# KiCad board sbc.kicad_pcb (continued)
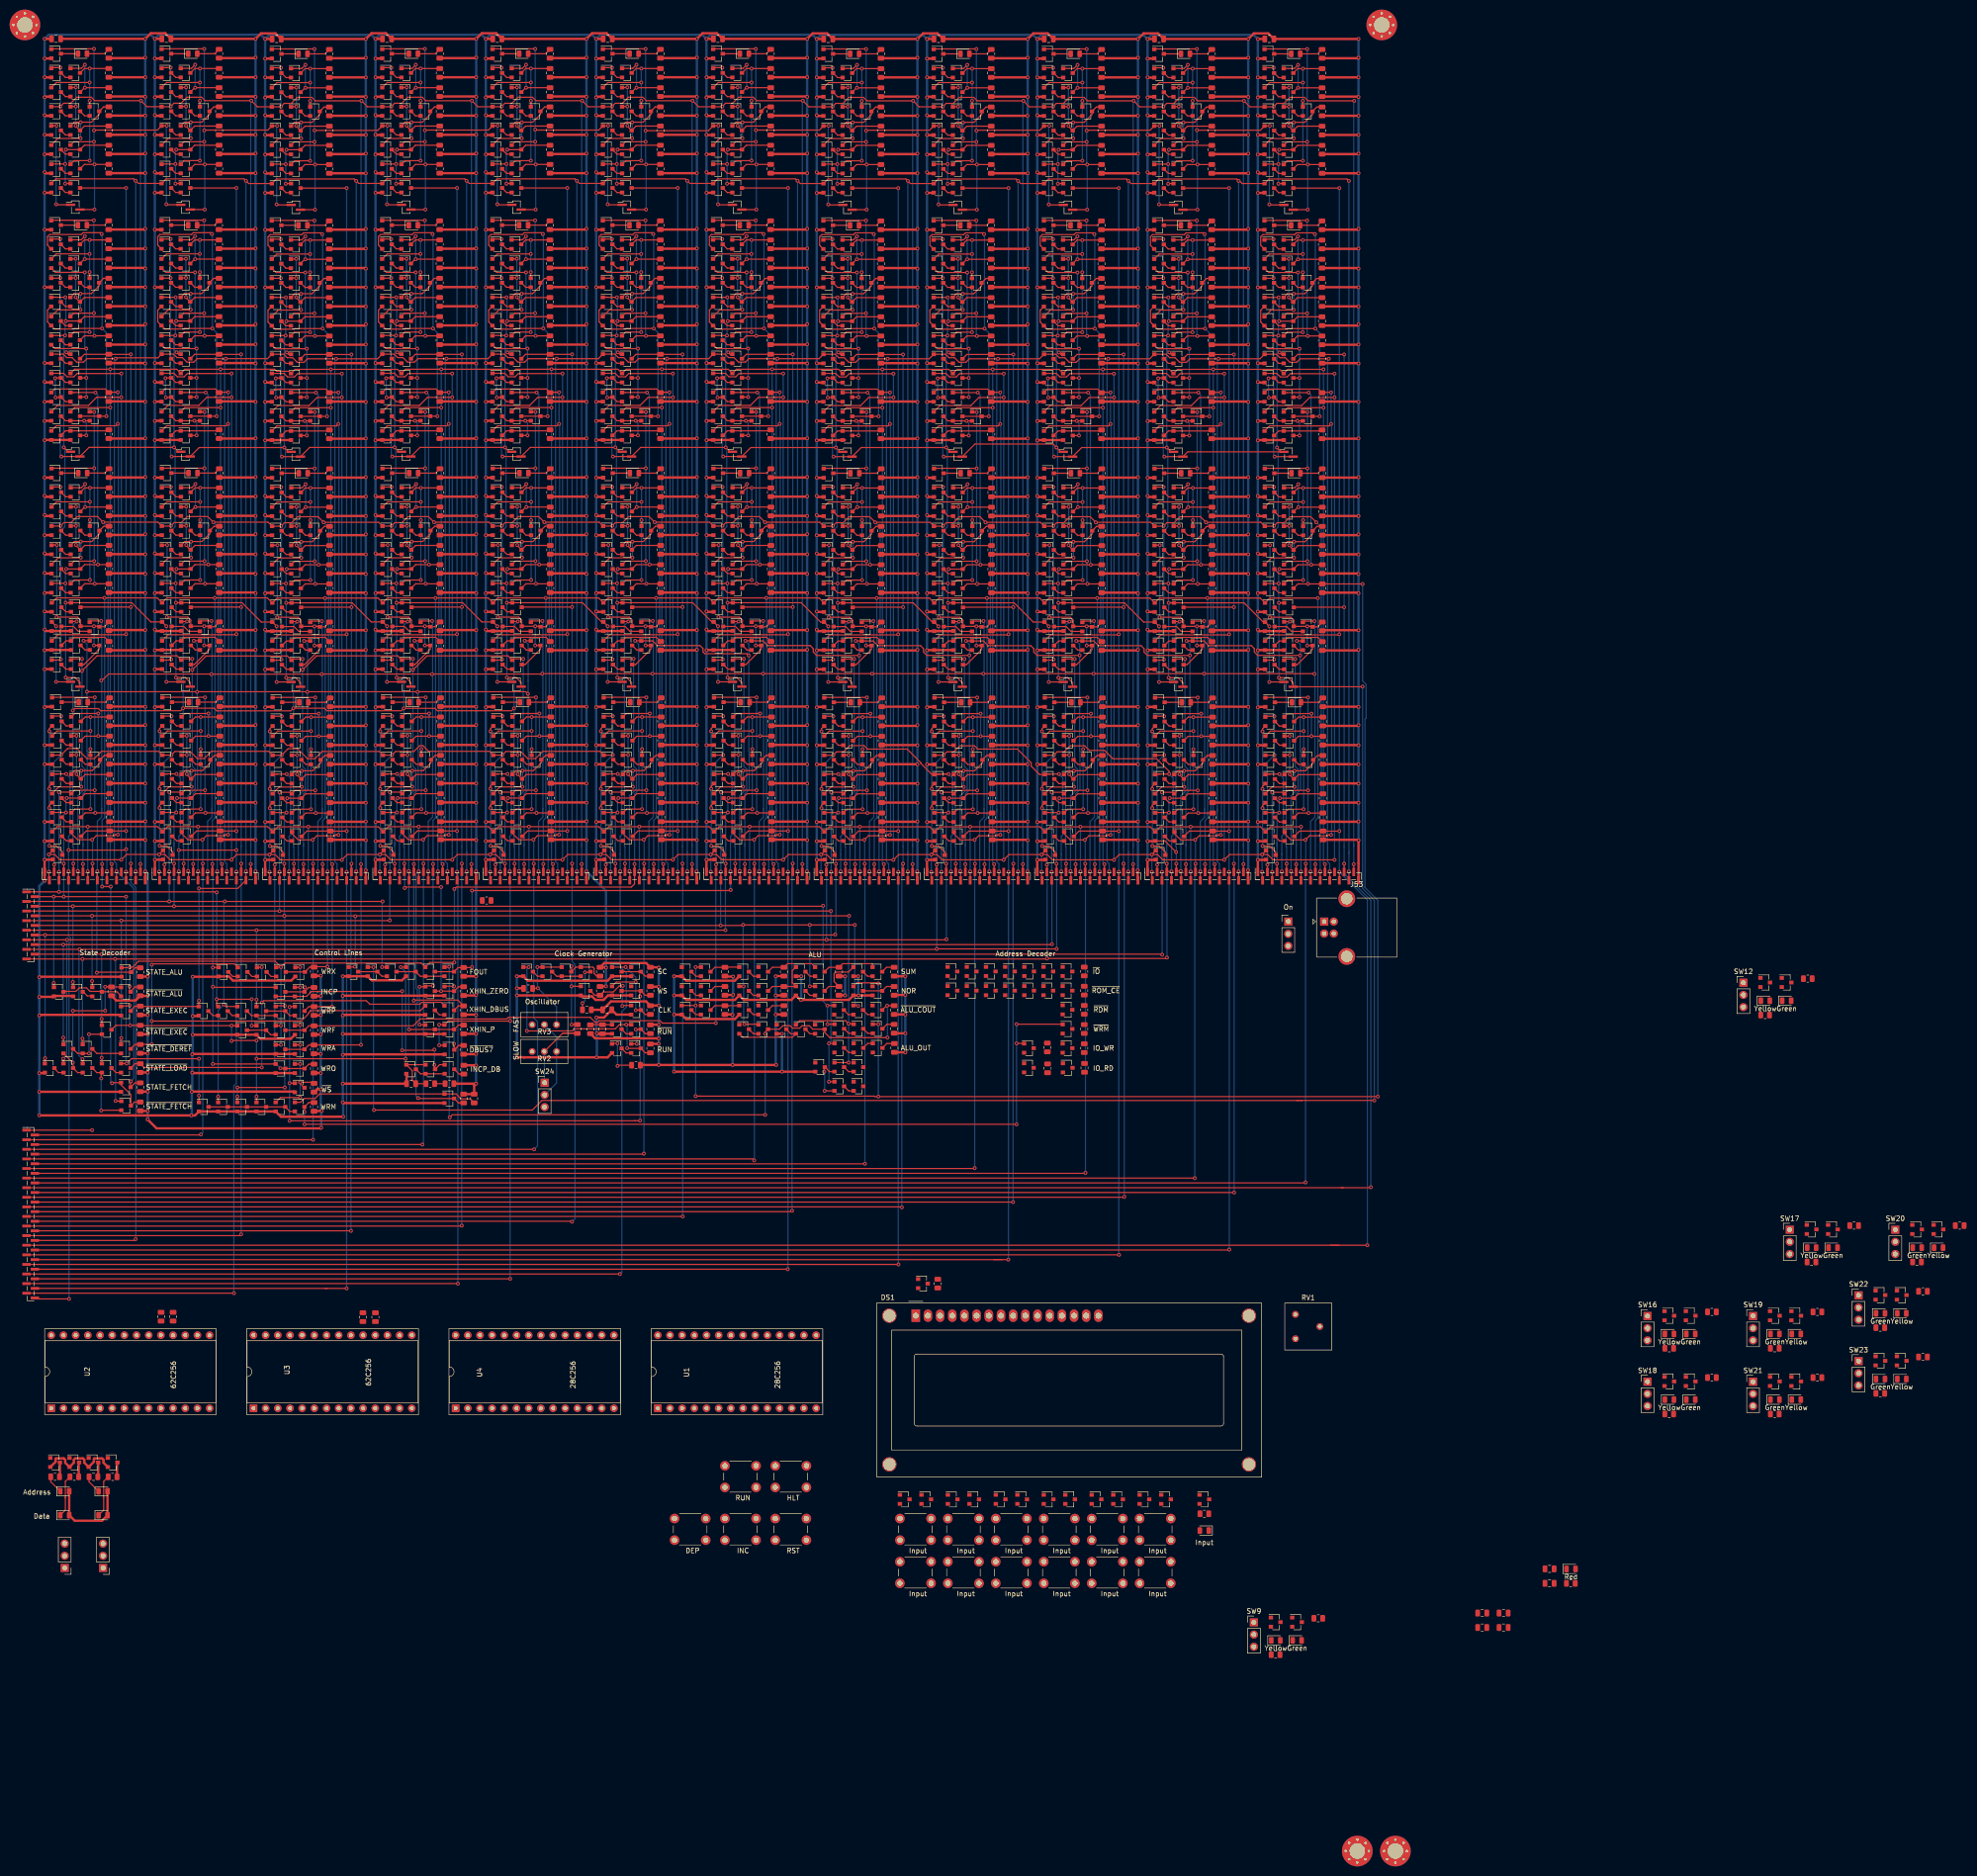
[diagram p0: board, top side]
## Placement (name value [footprint] x y rotation side) (continued)
Q935  2N7002  [SOT-23]  217.71 231.58 0 top
Q936  2N7002  [SOT-23]  213.71 215.58 0 top
Q937  2N7002  [SOT-23]  213.71 231.58 0 top
Q938  2N7002  [SOT-23]  213.71 239.58 0 top
Q939  2N7002  [SOT-23]  217.71 219.58 0 top
Q940  2N7002  [SOT-23]  217.71 235.58 0 top
Q941  2N7002  [SOT-23]  213.71 219.58 0 top
Q942  2N7002  [SOT-23]  213.71 235.58 0 top
Q943  2N7002  [SOT-23]  221.71 227.58 0 top
Q944  2N7002  [SOT-23]  217.71 227.58 0 top
Q945  2N7002  [SOT-23]  213.71 227.58 0 top
Q946  2N7002  [SOT-23]  217.71 223.58 0 top
Q947  2N7002  [SOT-23]  213.71 223.58 0 top
Q948  2N7002  [SOT-23]  240.75 211.62 0 top
Q949  2N7002  [SOT-23]  236.75 211.62 0 top
Q950  2N7002  [SOT-23]  240.55 346.82 0 top
Q951  2N7002  [SOT-23]  236.55 346.82 0 top
Q952  2N7002  [SOT-23]  240.55 350.82 0 top
Q953  2N7002  [SOT-23]  240.55 366.82 0 top
Q954  2N7002  [SOT-23]  236.55 350.82 0 top
Q955  2N7002  [SOT-23]  236.55 366.82 0 top
Q956  2N7002  [SOT-23]  236.55 374.82 0 top
Q957  2N7002  [SOT-23]  240.55 354.82 0 top
Q958  2N7002  [SOT-23]  240.55 370.82 0 top
Q959  2N7002  [SOT-23]  236.55 354.82 0 top
Q960  2N7002  [SOT-23]  236.55 370.82 0 top
Q961  2N7002  [SOT-23]  244.55 362.82 0 top
Q962  2N7002  [SOT-23]  240.55 362.82 0 top
Q963  2N7002  [SOT-23]  236.55 362.82 0 top
Q964  2N7002  [SOT-23]  240.55 358.82 0 top
Q965  2N7002  [SOT-23]  236.55 358.82 0 top
Q966  2N7002  [SOT-23]  244.55 251.42 0 top
Q967  2N7002  [SOT-23]  240.65 259.37 0 top
Q968  2N7002  [SOT-23]  240.65 247.42 0 top
Q969  2N7002  [SOT-23]  244.55 255.32 0 top
Q970  2N7002  [SOT-23]  240.65 255.42 0 top
Q971  2N7002  [SOT-23]  240.65 251.42 0 top
Q972  2N7002  [SOT-23]  236.65 259.37 0 top
Q973  2N7002  [SOT-23]  236.65 247.42 0 top
Q974  2N7002  [SOT-23]  236.65 255.37 0 top
Q975  2N7002  [SOT-23]  236.65 251.42 0 top
Q976  2N7002  [SOT-23]  240.6 263.36 0 top
Q977  2N7002  [SOT-23]  240.6 279.36 0 top
Q978  2N7002  [SOT-23]  236.6 263.36 0 top
Q979  2N7002  [SOT-23]  236.6 279.36 0 top
Q980  2N7002  [SOT-23]  236.6 287.36 0 top
Q981  2N7002  [SOT-23]  240.6 267.36 0 top
Q982  2N7002  [SOT-23]  240.6 283.36 0 top
Q983  2N7002  [SOT-23]  236.6 267.36 0 top
Q984  2N7002  [SOT-23]  236.6 283.36 0 top
Q985  2N7002  [SOT-23]  244.6 275.36 0 top
Q986  2N7002  [SOT-23]  240.6 275.36 0 top
Q987  2N7002  [SOT-23]  236.6 275.36 0 top
Q988  2N7002  [SOT-23]  240.6 271.36 0 top
Q989  2N7002  [SOT-23]  236.6 271.36 0 top
Q990  2N7002  [SOT-23]  240.55 311.22 0 top
Q991  2N7002  [SOT-23]  236.55 311.22 0 top
Q992  2N7002  [SOT-23]  240.55 307.22 0 top
Q993  2N7002  [SOT-23]  240.55 303.22 0 top
Q994  2N7002  [SOT-23]  240.55 299.22 0 top
Q995  2N7002  [SOT-23]  244.55 299.22 0 top
Q996  2N7002  [SOT-23]  236.55 307.22 0 top
Q997  2N7002  [SOT-23]  236.55 303.22 0 top
Q998  2N7002  [SOT-23]  236.55 299.22 0 top
Q999  2N7002  [SOT-23]  240.55 295.22 0 top
Q1000  2N7002  [SOT-23]  236.55 295.22 0 top
Q1001  2N7002  [SOT-23]  240.53 315.07 0 top
Q1002  2N7002  [SOT-23]  240.53 331.07 0 top
Q1003  2N7002  [SOT-23]  236.53 315.07 0 top
Q1004  2N7002  [SOT-23]  236.53 331.07 0 top
Q1005  2N7002  [SOT-23]  236.53 339.07 0 top
Q1006  2N7002  [SOT-23]  240.53 319.07 0 top
Q1007  2N7002  [SOT-23]  240.53 335.07 0 top
Q1008  2N7002  [SOT-23]  236.53 319.07 0 top
Q1009  2N7002  [SOT-23]  236.53 335.07 0 top
Q1010  2N7002  [SOT-23]  244.53 327.07 0 top
Q1011  2N7002  [SOT-23]  240.53 327.07 0 top
Q1012  2N7002  [SOT-23]  236.53 327.07 0 top
Q1013  2N7002  [SOT-23]  240.53 323.07 0 top
Q1014  2N7002  [SOT-23]  236.53 323.07 0 top
Q1015  2N7002  [SOT-23]  201.45 179.45 0 top
Q1016  2N7002  [SOT-23]  197.45 179.45 0 top
Q1017  2N7002  [SOT-23]  240.71 215.58 0 top
Q1018  2N7002  [SOT-23]  240.71 231.58 0 top
Q1019  2N7002  [SOT-23]  236.71 215.58 0 top
Q1020  2N7002  [SOT-23]  236.71 231.58 0 top
Q1021  2N7002  [SOT-23]  236.71 239.58 0 top
Q1022  2N7002  [SOT-23]  240.71 219.58 0 top
Q1023  2N7002  [SOT-23]  240.71 235.58 0 top
Q1024  2N7002  [SOT-23]  236.71 219.58 0 top
Q1025  2N7002  [SOT-23]  236.71 235.58 0 top
Q1026  2N7002  [SOT-23]  244.71 227.58 0 top
Q1027  2N7002  [SOT-23]  240.71 227.58 0 top
Q1028  2N7002  [SOT-23]  236.71 227.58 0 top
Q1029  2N7002  [SOT-23]  240.71 223.58 0 top
Q1030  2N7002  [SOT-23]  236.71 223.58 0 top
Q1031  2N7002  [SOT-23]  263.75 211.62 0 top
Q1032  2N7002  [SOT-23]  259.75 211.62 0 top
Q1033  2N7002  [SOT-23]  263.55 346.82 0 top
Q1034  2N7002  [SOT-23]  259.55 346.82 0 top
Q1035  2N7002  [SOT-23]  263.55 350.82 0 top
Q1036  2N7002  [SOT-23]  263.55 366.82 0 top
Q1037  2N7002  [SOT-23]  259.55 350.82 0 top
Q1038  2N7002  [SOT-23]  259.55 366.82 0 top
Q1039  2N7002  [SOT-23]  259.55 374.82 0 top
Q1040  2N7002  [SOT-23]  263.55 354.82 0 top
Q1041  2N7002  [SOT-23]  263.55 370.82 0 top
Q1042  2N7002  [SOT-23]  259.55 354.82 0 top
Q1043  2N7002  [SOT-23]  259.55 370.82 0 top
Q1044  2N7002  [SOT-23]  267.55 362.82 0 top
Q1045  2N7002  [SOT-23]  263.55 362.82 0 top
Q1046  2N7002  [SOT-23]  259.55 362.82 0 top
Q1047  2N7002  [SOT-23]  263.55 358.82 0 top
Q1048  2N7002  [SOT-23]  259.55 358.82 0 top
Q1049  2N7002  [SOT-23]  267.55 251.42 0 top
Q1050  2N7002  [SOT-23]  263.65 259.37 0 top
Q1051  2N7002  [SOT-23]  263.65 247.42 0 top
Q1052  2N7002  [SOT-23]  267.55 255.32 0 top
Q1053  2N7002  [SOT-23]  263.65 255.42 0 top
Q1054  2N7002  [SOT-23]  263.65 251.42 0 top
Q1055  2N7002  [SOT-23]  259.65 259.37 0 top
Q1056  2N7002  [SOT-23]  259.65 247.42 0 top
Q1057  2N7002  [SOT-23]  259.65 255.37 0 top
Q1058  2N7002  [SOT-23]  259.65 251.42 0 top
Q1059  2N7002  [SOT-23]  263.6 263.36 0 top
Q1060  2N7002  [SOT-23]  263.6 279.36 0 top
Q1061  2N7002  [SOT-23]  259.6 263.36 0 top
Q1062  2N7002  [SOT-23]  259.6 279.36 0 top
Q1063  2N7002  [SOT-23]  259.6 287.36 0 top
Q1064  2N7002  [SOT-23]  263.6 267.36 0 top
Q1065  2N7002  [SOT-23]  263.6 283.36 0 top
Q1066  2N7002  [SOT-23]  259.6 267.36 0 top
Q1067  2N7002  [SOT-23]  259.6 283.36 0 top
Q1068  2N7002  [SOT-23]  267.6 275.36 0 top
Q1069  2N7002  [SOT-23]  263.6 275.36 0 top
Q1070  2N7002  [SOT-23]  259.6 275.36 0 top
Q1071  2N7002  [SOT-23]  263.6 271.36 0 top
Q1072  2N7002  [SOT-23]  259.6 271.36 0 top
Q1073  2N7002  [SOT-23]  263.55 311.22 0 top
Q1074  2N7002  [SOT-23]  259.55 311.22 0 top
Q1075  2N7002  [SOT-23]  263.55 307.22 0 top
Q1076  2N7002  [SOT-23]  263.55 303.22 0 top
Q1077  2N7002  [SOT-23]  263.55 299.22 0 top
Q1078  2N7002  [SOT-23]  267.55 299.22 0 top
Q1079  2N7002  [SOT-23]  259.55 307.22 0 top
Q1080  2N7002  [SOT-23]  259.55 303.22 0 top
Q1081  2N7002  [SOT-23]  259.55 299.22 0 top
Q1082  2N7002  [SOT-23]  263.55 295.22 0 top
Q1083  2N7002  [SOT-23]  259.55 295.22 0 top
Q1084  2N7002  [SOT-23]  263.53 315.07 0 top
Q1085  2N7002  [SOT-23]  263.53 331.07 0 top
Q1086  2N7002  [SOT-23]  259.53 315.07 0 top
Q1087  2N7002  [SOT-23]  259.53 331.07 0 top
Q1088  2N7002  [SOT-23]  259.53 339.07 0 top
Q1089  2N7002  [SOT-23]  263.53 319.07 0 top
Q1090  2N7002  [SOT-23]  263.53 335.07 0 top
Q1091  2N7002  [SOT-23]  259.53 319.07 0 top
Q1092  2N7002  [SOT-23]  259.53 335.07 0 top
Q1093  2N7002  [SOT-23]  267.53 327.07 0 top
Q1094  2N7002  [SOT-23]  263.53 327.07 0 top
Q1095  2N7002  [SOT-23]  259.53 327.07 0 top
Q1096  2N7002  [SOT-23]  263.53 323.07 0 top
Q1097  2N7002  [SOT-23]  259.53 323.07 0 top
Q1098  2N7002  [SOT-23]  217.45 179.45 0 top
Q1099  2N7002  [SOT-23]  193.45 179.45 0 top
Q1100  2N7002  [SOT-23]  263.71 215.58 0 top
Q1101  2N7002  [SOT-23]  263.71 231.58 0 top
Q1102  2N7002  [SOT-23]  259.71 215.58 0 top
Q1103  2N7002  [SOT-23]  259.71 231.58 0 top
Q1104  2N7002  [SOT-23]  259.71 239.58 0 top
Q1105  2N7002  [SOT-23]  263.71 219.58 0 top
Q1106  2N7002  [SOT-23]  263.71 235.58 0 top
Q1107  2N7002  [SOT-23]  259.71 219.58 0 top
Q1108  2N7002  [SOT-23]  259.71 235.58 0 top
Q1109  2N7002  [SOT-23]  267.71 227.58 0 top
Q1110  2N7002  [SOT-23]  263.71 227.58 0 top
Q1111  2N7002  [SOT-23]  259.71 227.58 0 top
Q1112  2N7002  [SOT-23]  263.71 223.58 0 top
Q1113  2N7002  [SOT-23]  259.71 223.58 0 top
Q1114  2N7002  [SOT-23]  213.45 179.45 0 top
Q1115  2N7002  [SOT-23]  217.45 171.45 0 top
Q1116  2N7002  [SOT-23]  217.45 175.45 0 top
Q1117  2N7002  [SOT-23]  183.5 73.35 0 top
Q1118  2N7002  [SOT-23]  209.4 167.45 0 top
Q1119  2N7002  [SOT-23]  6.3 81.05 0 top
Q1120  2N7002  [SOT-23]  10.3 81.05 0 top
Q1121  2N7002  [SOT-23]  14.29 81.05 0 top
Q1122  2N7002  [SOT-23]  18.29 81.05 0 top
Q1123  2N7002  [SOT-23]  88.5 156.95 0 top
Q1124  2N7002  [SOT-23]  260.88 47.75 0 top
Q1125  2N7002  [SOT-23]  265.33 47.75 0 top
Q1126  2N7002  [SOT-23]  217.45 167.45 0 top
Q1127  2N7002  [SOT-23]  187.3 118.35 0 top
Q1128  2N7002  [SOT-23]  362.98 181.15 0 top
Q1129  2N7002  [SOT-23]  367.43 181.15 0 top
Q1130  2N7002  [SOT-23]  347.43 111.65 0 top
Q1131  2N7002  [SOT-23]  342.98 111.65 0 top
Q1132  2N7002  [SOT-23]  377.1 129.65 0 top
Q1133  2N7002  [SOT-23]  372.65 129.65 0 top
Q1134  2N7002  [SOT-23]  342.98 97.95 0 top
Q1135  2N7002  [SOT-23]  347.43 97.95 0 top
Q1136  2N7002  [SOT-23]  364.99 111.65 0 top
Q1137  2N7002  [SOT-23]  369.44 111.65 0 top
Q1138  2N7002  [SOT-23]  399.11 129.65 0 top
Q1139  2N7002  [SOT-23]  394.66 129.65 0 top
Q1140  2N7002  [SOT-23]  364.99 97.95 0 top
Q1141  2N7002  [SOT-23]  369.44 97.95 0 top
Q1142  2N7002  [SOT-23]  391.45 115.95 0 top
Q1143  2N7002  [SOT-23]  387 115.95 0 top
Q1144  2N7002  [SOT-23]  387 102.25 0 top
Q1145  2N7002  [SOT-23]  391.45 102.25 0 top
Q1146  2N7002  [SOT-23]  193.5 73.35 0 top
Q1147  2N7002  [SOT-23]  203.5 73.35 0 top
Q1148  2N7002  [SOT-23]  213.5 73.35 0 top
Q1149  2N7002  [SOT-23]  223.5 73.35 0 top
Q1150  2N7002  [SOT-23]  233.5 73.35 0 top
Q1151  2N7002  [SOT-23]  188 73.35 0 top
Q1152  2N7002  [SOT-23]  198 73.35 0 top
Q1153  2N7002  [SOT-23]  208 73.35 0 top
Q1154  2N7002  [SOT-23]  218 73.35 0 top
Q1155  2N7002  [SOT-23]  228 73.35 0 top
Q1156  2N7002  [SOT-23]  238 73.35 0 top
Q1157  2N7002  [SOT-23]  246 73.35 0 top
R1  10k  [R_0805_2012Metric]  28.4 111.45 90 top
R2  10k  [R_0805_2012Metric]  17.5 311.25 90 top
R3  10k  [R_0805_2012Metric]  17.7 211.85 90 top
R4  1k  [R_0805_2012Metric]  17.5 374.85 90 top
R5  10k  [R_0805_2012Metric]  17.5 350.85 90 top
R6  10k  [R_0805_2012Metric]  17.5 366.85 90 top
R7  10k  [R_0805_2012Metric]  17.5 354.85 90 top
R8  10k  [R_0805_2012Metric]  17.5 370.85 90 top
R9  10k  [R_0805_2012Metric]  17.5 362.85 90 top
R10  10k  [R_0805_2012Metric]  17.5 358.85 90 top
R11  1k  [R_0805_2012Metric]  17.55 287.39 90 top
R12  10k  [R_0805_2012Metric]  17.55 255.45 90 top
R13  10k  [R_0805_2012Metric]  17.55 251.35 90 top
R14  10k  [R_0805_2012Metric]  17.55 263.39 90 top
R15  10k  [R_0805_2012Metric]  17.55 279.39 90 top
R16  10k  [R_0805_2012Metric]  17.55 267.39 90 top
R17  10k  [R_0805_2012Metric]  17.55 283.39 90 top
R18  10k  [R_0805_2012Metric]  17.55 275.39 90 top
R19  10k  [R_0805_2012Metric]  17.55 271.39 90 top
R20  1k  [R_0805_2012Metric]  17.48 339.1 90 top
R21  10k  [R_0805_2012Metric]  17.5 303.25 90 top
R22  10k  [R_0805_2012Metric]  17.5 295.5 90 top
R23  10k  [R_0805_2012Metric]  17.48 315.1 90 top
R24  10k  [R_0805_2012Metric]  17.48 331.1 90 top
R25  10k  [R_0805_2012Metric]  17.48 319.1 90 top
R26  10k  [R_0805_2012Metric]  17.48 335.1 90 top
R27  10k  [R_0805_2012Metric]  17.48 327.1 90 top
R28  10k  [R_0805_2012Metric]  17.48 323.1 90 top
R29  1k  [R_0805_2012Metric]  17.66 239.61 90 top
R30  10k  [R_0805_2012Metric]  17.66 215.61 90 top
R31  10k  [R_0805_2012Metric]  17.66 231.61 90 top
R32  10k  [R_0805_2012Metric]  17.66 219.61 90 top
R33  10k  [R_0805_2012Metric]  17.66 235.61 90 top
R34  10k  [R_0805_2012Metric]  17.66 227.61 90 top
R35  10k  [R_0805_2012Metric]  17.66 223.61 90 top
R36  10k  [R_0805_2012Metric]  40.5 311.25 90 top
R37  10k  [R_0805_2012Metric]  40.7 211.85 90 top
R38  10k  [R_0805_2012Metric]  40.5 350.85 90 top
R39  10k  [R_0805_2012Metric]  40.5 366.85 90 top
R40  1k  [R_0805_2012Metric]  40.5 374.85 90 top
R41  10k  [R_0805_2012Metric]  40.5 354.85 90 top
R42  10k  [R_0805_2012Metric]  40.5 370.85 90 top
R43  10k  [R_0805_2012Metric]  40.5 362.85 90 top
R44  10k  [R_0805_2012Metric]  40.5 358.85 90 top
R45  10k  [R_0805_2012Metric]  40.55 255.45 90 top
R46  10k  [R_0805_2012Metric]  40.55 251.35 90 top
R47  10k  [R_0805_2012Metric]  40.55 263.39 90 top
R48  10k  [R_0805_2012Metric]  40.55 279.39 90 top
R49  1k  [R_0805_2012Metric]  40.55 287.39 90 top
R50  10k  [R_0805_2012Metric]  40.55 267.39 90 top
R51  10k  [R_0805_2012Metric]  40.55 283.39 90 top
R52  10k  [R_0805_2012Metric]  40.55 275.39 90 top
R53  10k  [R_0805_2012Metric]  40.55 271.39 90 top
R54  10k  [R_0805_2012Metric]  40.5 303.25 90 top
R55  10k  [R_0805_2012Metric]  40.5 295.5 90 top
R56  10k  [R_0805_2012Metric]  40.48 315.1 90 top
R57  10k  [R_0805_2012Metric]  40.48 331.1 90 top
R58  1k  [R_0805_2012Metric]  40.48 339.1 90 top
R59  10k  [R_0805_2012Metric]  40.48 319.1 90 top
R60  10k  [R_0805_2012Metric]  40.48 335.1 90 top
R61  10k  [R_0805_2012Metric]  40.48 327.1 90 top
R62  10k  [R_0805_2012Metric]  40.48 323.1 90 top
R63  10k  [R_0805_2012Metric]  40.66 215.61 90 top
R64  10k  [R_0805_2012Metric]  40.66 231.61 90 top
R65  1k  [R_0805_2012Metric]  40.66 239.61 90 top
R66  10k  [R_0805_2012Metric]  40.66 219.61 90 top
R67  10k  [R_0805_2012Metric]  40.66 235.61 90 top
R68  10k  [R_0805_2012Metric]  40.66 227.61 90 top
R69  10k  [R_0805_2012Metric]  40.66 223.61 90 top
R70  10k  [R_0805_2012Metric]  24.05 155.3 90 top
R71  10k  [R_0805_2012Metric]  24.05 163.3 90 top
R72  10k  [R_0805_2012Metric]  24.05 167.3 90 top
R73  10k  [R_0805_2012Metric]  24.05 171.3 90 top
R74  10k  [R_0805_2012Metric]  24.05 179.3 90 top
R75  10k  [R_0805_2012Metric]  24.05 183.3 90 top
R76  10k  [R_0805_2012Metric]  18.05 179.3 90 top
R77  10k  [R_0805_2012Metric]  24.05 159.3 90 top
R78  10k  [R_0805_2012Metric]  24.05 175.3 90 top
R79  10k  [R_0805_2012Metric]  60.3 163.2 90 top
R80  10k  [R_0805_2012Metric]  91.5 179.35 90 top
R81  10k  [R_0805_2012Metric]  91.5 175.35 90 top
R82  10k  [R_0805_2012Metric]  91.5 171.35 90 top
R83  1k  [R_0805_2012Metric]  60.3 167.2 90 top
R84  10k  [R_0805_2012Metric]  60.3 179.2 90 top
R85  10k  [R_0805_2012Metric]  91.5 167.1 90 top
R86  10k  [R_0805_2012Metric]  60.3 159.2 90 top
R87  10k  [R_0805_2012Metric]  60.3 171.2 90 top
R88  10k  [R_0805_2012Metric]  60.3 183.45 90 top
R89  10k  [R_0805_2012Metric]  60.3 175.2 90 top
R90  10k  [R_0805_2012Metric]  91.5 183.35 90 top
R91  10k  [R_0805_2012Metric]  60.3 155.2 90 top
R92  10k  [R_0805_2012Metric]  130.45 183.4 270 top
R93  10k  [R_0805_2012Metric]  115.2 171.45 90 top
R94  10k  [R_0805_2012Metric]  221 163.35 90 top
R95  10k  [R_0805_2012Metric]  119.95 183.4 270 top
R96  10k  [R_0805_2012Metric]  119.95 179.4 270 top
R97  10k  [R_0805_2012Metric]  130.45 175.4 270 top
R98  10k  [R_0805_2012Metric]  130.45 179.4 270 top
R99  10k  [R_0805_2012Metric]  117.2 175.45 180 top
R100  10k  [R_0805_2012Metric]  130.45 171.4 270 top
R101  10k  [R_0805_2012Metric]  130.45 167.4 270 top
R102  10k  [R_0805_2012Metric]  117.95 171.4 90 top
R103  10k  [R_0805_2012Metric]  88.55 160.05 180 top
R104  10k  [R_0805_2012Metric]  127.45 163.9 180 top
R105  10k  [R_0805_2012Metric]  213.3 163.25 90 top
R106  10k  [R_0805_2012Metric]  84.55 160.05 0 top
R107  10k  [R_0805_2012Metric]  91.55 162.96 270 top
R108  10k  [R_0805_2012Metric]  158.3 175.4 90 top
R109  10k  [R_0805_2012Metric]  146 175.4 90 top
R110  10k  [R_0805_2012Metric]  158.3 183.4 90 top
R111  1k  [R_0805_2012Metric]  322.43 55.84 0 top
R112  1k  [R_0805_2012Metric]  246 70.35 180 top
R113  10k  [R_0805_2012Metric]  146 183.4 90 top
R114  10k  [R_0805_2012Metric]  169.8 183.4 90 top
R115  10k  [R_0805_2012Metric]  146 179.4 90 top
R116  10k  [R_0805_2012Metric]  158.3 179.4 90 top
R117  10k  [R_0805_2012Metric]  181.3 183.4 90 top
R118  10k  [R_0805_2012Metric]  181.3 175.4 90 top
R119  10k  [R_0805_2012Metric]  181.35 167.5 90 top
R120  10k  [R_0805_2012Metric]  169.8 179.4 90 top
R121  10k  [R_0805_2012Metric]  181.3 171.5 90 top
R122  10k  [R_0805_2012Metric]  181.3 179.4 90 top
R123  10k  [R_0805_2012Metric]  63.5 311.22 90 top
R124  10k  [R_0805_2012Metric]  63.7 211.82 90 top
R125  10k  [R_0805_2012Metric]  63.5 350.82 90 top
R126  10k  [R_0805_2012Metric]  63.5 366.82 90 top
R127  1k  [R_0805_2012Metric]  63.5 374.82 90 top
R128  10k  [R_0805_2012Metric]  63.5 354.82 90 top
R129  10k  [R_0805_2012Metric]  63.5 370.82 90 top
R130  10k  [R_0805_2012Metric]  63.5 362.82 90 top
R131  10k  [R_0805_2012Metric]  63.5 358.82 90 top
R132  10k  [R_0805_2012Metric]  63.55 255.42 90 top
R133  10k  [R_0805_2012Metric]  63.55 251.32 90 top
R134  10k  [R_0805_2012Metric]  63.55 263.36 90 top
R135  10k  [R_0805_2012Metric]  63.55 279.36 90 top
R136  1k  [R_0805_2012Metric]  63.55 287.36 90 top
R137  10k  [R_0805_2012Metric]  63.55 267.36 90 top
R138  10k  [R_0805_2012Metric]  63.55 283.36 90 top
R139  10k  [R_0805_2012Metric]  63.55 275.36 90 top
R140  10k  [R_0805_2012Metric]  63.55 271.36 90 top
R141  10k  [R_0805_2012Metric]  63.5 303.22 90 top
R142  10k  [R_0805_2012Metric]  63.5 295.47 90 top
R143  10k  [R_0805_2012Metric]  63.48 315.07 90 top
R144  10k  [R_0805_2012Metric]  63.48 331.07 90 top
R145  1k  [R_0805_2012Metric]  63.48 339.07 90 top
R146  10k  [R_0805_2012Metric]  63.48 319.07 90 top
R147  10k  [R_0805_2012Metric]  63.48 335.07 90 top
R148  10k  [R_0805_2012Metric]  63.48 327.07 90 top
R149  10k  [R_0805_2012Metric]  63.48 323.07 90 top
R150  10k  [R_0805_2012Metric]  63.66 215.58 90 top
R151  10k  [R_0805_2012Metric]  63.66 231.58 90 top
R152  1k  [R_0805_2012Metric]  63.66 239.58 90 top
R153  10k  [R_0805_2012Metric]  63.66 219.58 90 top
R154  10k  [R_0805_2012Metric]  63.66 235.58 90 top
R155  10k  [R_0805_2012Metric]  63.66 227.58 90 top
R156  10k  [R_0805_2012Metric]  63.66 223.58 90 top
R157  10k  [R_0805_2012Metric]  86.53 311.25 90 top
R158  10k  [R_0805_2012Metric]  86.73 211.85 90 top
R159  10k  [R_0805_2012Metric]  86.53 350.85 90 top
R160  10k  [R_0805_2012Metric]  86.53 366.85 90 top
R161  1k  [R_0805_2012Metric]  86.53 374.85 90 top
R162  10k  [R_0805_2012Metric]  86.53 354.85 90 top
R163  10k  [R_0805_2012Metric]  86.53 370.85 90 top
R164  10k  [R_0805_2012Metric]  86.53 362.85 90 top
R165  10k  [R_0805_2012Metric]  86.53 358.85 90 top
R166  10k  [R_0805_2012Metric]  86.58 255.45 90 top
R167  10k  [R_0805_2012Metric]  86.58 251.35 90 top
R168  10k  [R_0805_2012Metric]  86.58 263.38 90 top
R169  10k  [R_0805_2012Metric]  86.58 279.38 90 top
R170  1k  [R_0805_2012Metric]  86.58 287.38 90 top
R171  10k  [R_0805_2012Metric]  86.58 267.38 90 top
R172  10k  [R_0805_2012Metric]  86.58 283.38 90 top
R173  10k  [R_0805_2012Metric]  86.58 275.39 90 top
R174  10k  [R_0805_2012Metric]  86.58 271.38 90 top
R175  10k  [R_0805_2012Metric]  86.53 303.25 90 top
R176  10k  [R_0805_2012Metric]  86.53 295.5 90 top
R177  10k  [R_0805_2012Metric]  86.5 315.09 90 top
R178  10k  [R_0805_2012Metric]  86.5 331.09 90 top
R179  1k  [R_0805_2012Metric]  86.5 339.09 90 top
R180  10k  [R_0805_2012Metric]  86.5 319.09 90 top
R181  10k  [R_0805_2012Metric]  86.5 335.09 90 top
R182  10k  [R_0805_2012Metric]  86.5 327.09 90 top
R183  10k  [R_0805_2012Metric]  86.5 323.09 90 top
R184  10k  [R_0805_2012Metric]  86.69 215.61 90 top
R185  10k  [R_0805_2012Metric]  86.69 231.61 90 top
R186  1k  [R_0805_2012Metric]  86.69 239.61 90 top
R187  10k  [R_0805_2012Metric]  86.69 219.61 90 top
R188  10k  [R_0805_2012Metric]  86.69 235.61 90 top
R189  10k  [R_0805_2012Metric]  86.69 227.61 90 top
R190  10k  [R_0805_2012Metric]  86.69 223.61 90 top
R191  10k  [R_0805_2012Metric]  109.53 311.25 90 top
R192  10k  [R_0805_2012Metric]  109.73 211.85 90 top
R193  10k  [R_0805_2012Metric]  109.53 350.85 90 top
R194  10k  [R_0805_2012Metric]  109.53 366.85 90 top
R195  1k  [R_0805_2012Metric]  109.53 374.85 90 top
R196  10k  [R_0805_2012Metric]  109.53 354.85 90 top
R197  10k  [R_0805_2012Metric]  109.53 370.85 90 top
R198  10k  [R_0805_2012Metric]  109.53 362.85 90 top
R199  10k  [R_0805_2012Metric]  109.53 358.85 90 top
R200  10k  [R_0805_2012Metric]  109.57 255.45 90 top
R201  10k  [R_0805_2012Metric]  109.57 251.35 90 top
R202  10k  [R_0805_2012Metric]  109.57 263.38 90 top
R203  10k  [R_0805_2012Metric]  109.57 279.38 90 top
R204  1k  [R_0805_2012Metric]  109.57 287.38 90 top
R205  10k  [R_0805_2012Metric]  109.57 267.38 90 top
R206  10k  [R_0805_2012Metric]  109.57 283.38 90 top
R207  10k  [R_0805_2012Metric]  109.57 275.39 90 top
R208  10k  [R_0805_2012Metric]  109.57 271.38 90 top
R209  10k  [R_0805_2012Metric]  109.53 303.25 90 top
R210  10k  [R_0805_2012Metric]  109.53 295.5 90 top
R211  10k  [R_0805_2012Metric]  109.5 315.09 90 top
R212  10k  [R_0805_2012Metric]  109.5 331.09 90 top
R213  1k  [R_0805_2012Metric]  109.5 339.09 90 top
R214  10k  [R_0805_2012Metric]  109.5 319.09 90 top
R215  10k  [R_0805_2012Metric]  109.5 335.09 90 top
R216  10k  [R_0805_2012Metric]  109.5 327.09 90 top
R217  10k  [R_0805_2012Metric]  109.5 323.09 90 top
R218  10k  [R_0805_2012Metric]  109.69 215.61 90 top
R219  10k  [R_0805_2012Metric]  109.69 231.61 90 top
R220  1k  [R_0805_2012Metric]  109.69 239.61 90 top
R221  10k  [R_0805_2012Metric]  109.69 219.61 90 top
R222  10k  [R_0805_2012Metric]  109.69 235.61 90 top
R223  10k  [R_0805_2012Metric]  109.69 227.61 90 top
R224  10k  [R_0805_2012Metric]  109.69 223.61 90 top
R225  10k  [R_0805_2012Metric]  132.55 311.25 90 top
R226  10k  [R_0805_2012Metric]  132.75 211.85 90 top
R227  10k  [R_0805_2012Metric]  132.55 350.85 90 top
R228  10k  [R_0805_2012Metric]  132.55 366.85 90 top
R229  1k  [R_0805_2012Metric]  132.55 374.85 90 top
R230  10k  [R_0805_2012Metric]  132.55 354.85 90 top
R231  10k  [R_0805_2012Metric]  132.55 370.85 90 top
R232  10k  [R_0805_2012Metric]  132.55 362.85 90 top
R233  10k  [R_0805_2012Metric]  132.55 358.85 90 top
R234  10k  [R_0805_2012Metric]  132.6 255.45 90 top
R235  10k  [R_0805_2012Metric]  132.6 251.35 90 top
R236  10k  [R_0805_2012Metric]  132.6 263.38 90 top
R237  10k  [R_0805_2012Metric]  132.6 279.38 90 top
R238  1k  [R_0805_2012Metric]  132.6 287.38 90 top
R239  10k  [R_0805_2012Metric]  132.6 267.38 90 top
R240  10k  [R_0805_2012Metric]  132.6 283.38 90 top
R241  10k  [R_0805_2012Metric]  132.6 275.39 90 top
R242  10k  [R_0805_2012Metric]  132.6 271.38 90 top
R243  10k  [R_0805_2012Metric]  132.55 303.25 90 top
R244  10k  [R_0805_2012Metric]  132.55 295.5 90 top
R245  10k  [R_0805_2012Metric]  132.53 315.09 90 top
R246  10k  [R_0805_2012Metric]  132.53 331.09 90 top
R247  1k  [R_0805_2012Metric]  132.53 339.09 90 top
R248  10k  [R_0805_2012Metric]  132.53 319.09 90 top
R249  10k  [R_0805_2012Metric]  132.53 335.09 90 top
R250  10k  [R_0805_2012Metric]  132.53 327.09 90 top
R251  10k  [R_0805_2012Metric]  132.53 323.09 90 top
R252  10k  [R_0805_2012Metric]  132.71 215.61 90 top
R253  10k  [R_0805_2012Metric]  132.71 231.61 90 top
R254  1k  [R_0805_2012Metric]  132.71 239.61 90 top
R255  10k  [R_0805_2012Metric]  132.71 219.61 90 top
R256  10k  [R_0805_2012Metric]  132.71 235.61 90 top
R257  10k  [R_0805_2012Metric]  132.71 227.61 90 top
R258  10k  [R_0805_2012Metric]  132.71 223.61 90 top
R259  10k  [R_0805_2012Metric]  155.55 311.25 90 top
R260  10k  [R_0805_2012Metric]  155.75 211.85 90 top
R261  10k  [R_0805_2012Metric]  155.55 350.85 90 top
R262  10k  [R_0805_2012Metric]  155.55 366.85 90 top
R263  1k  [R_0805_2012Metric]  155.55 374.85 90 top
R264  10k  [R_0805_2012Metric]  155.55 354.85 90 top
R265  10k  [R_0805_2012Metric]  155.55 370.85 90 top
R266  10k  [R_0805_2012Metric]  155.55 362.85 90 top
R267  10k  [R_0805_2012Metric]  155.55 358.85 90 top
R268  10k  [R_0805_2012Metric]  155.6 255.45 90 top
R269  10k  [R_0805_2012Metric]  155.6 251.35 90 top
R270  10k  [R_0805_2012Metric]  155.6 263.38 90 top
R271  10k  [R_0805_2012Metric]  155.6 279.38 90 top
R272  1k  [R_0805_2012Metric]  155.6 287.38 90 top
R273  10k  [R_0805_2012Metric]  155.6 267.38 90 top
R274  10k  [R_0805_2012Metric]  155.6 283.38 90 top
R275  10k  [R_0805_2012Metric]  155.6 275.39 90 top
R276  10k  [R_0805_2012Metric]  155.6 271.38 90 top
R277  10k  [R_0805_2012Metric]  155.55 303.25 90 top
R278  10k  [R_0805_2012Metric]  155.55 295.5 90 top
R279  10k  [R_0805_2012Metric]  155.53 315.09 90 top
R280  10k  [R_0805_2012Metric]  155.53 331.09 90 top
R281  1k  [R_0805_2012Metric]  155.53 339.09 90 top
R282  10k  [R_0805_2012Metric]  155.53 319.09 90 top
R283  10k  [R_0805_2012Metric]  155.53 335.09 90 top
R284  10k  [R_0805_2012Metric]  155.53 327.09 90 top
R285  10k  [R_0805_2012Metric]  155.53 323.09 90 top
R286  10k  [R_0805_2012Metric]  155.71 215.61 90 top
R287  10k  [R_0805_2012Metric]  155.71 231.61 90 top
R288  1k  [R_0805_2012Metric]  155.71 239.61 90 top
R289  10k  [R_0805_2012Metric]  155.71 219.61 90 top
R290  10k  [R_0805_2012Metric]  155.71 235.61 90 top
R291  10k  [R_0805_2012Metric]  155.71 227.61 90 top
R292  10k  [R_0805_2012Metric]  155.71 223.61 90 top